# Altium PCB ToucanEyePCB.PcbDoc (part 1 of 5)
Units mil, origin at the board's own origin, x right, y up, seen from the top; angles counter-clockwise.
Board outline 2559.06 x 1181.1 mil, 6 copper layers (L1_Top Layer, L2_GND, L3_Signa1, L4_PWR/Signal2, L5_GND, L6_Bottom Layer), stack 35.685 mil thick; 187 components, 181 nets, 773 pads, 479 vias.
Unrouted connection lines stored in the file: 150.
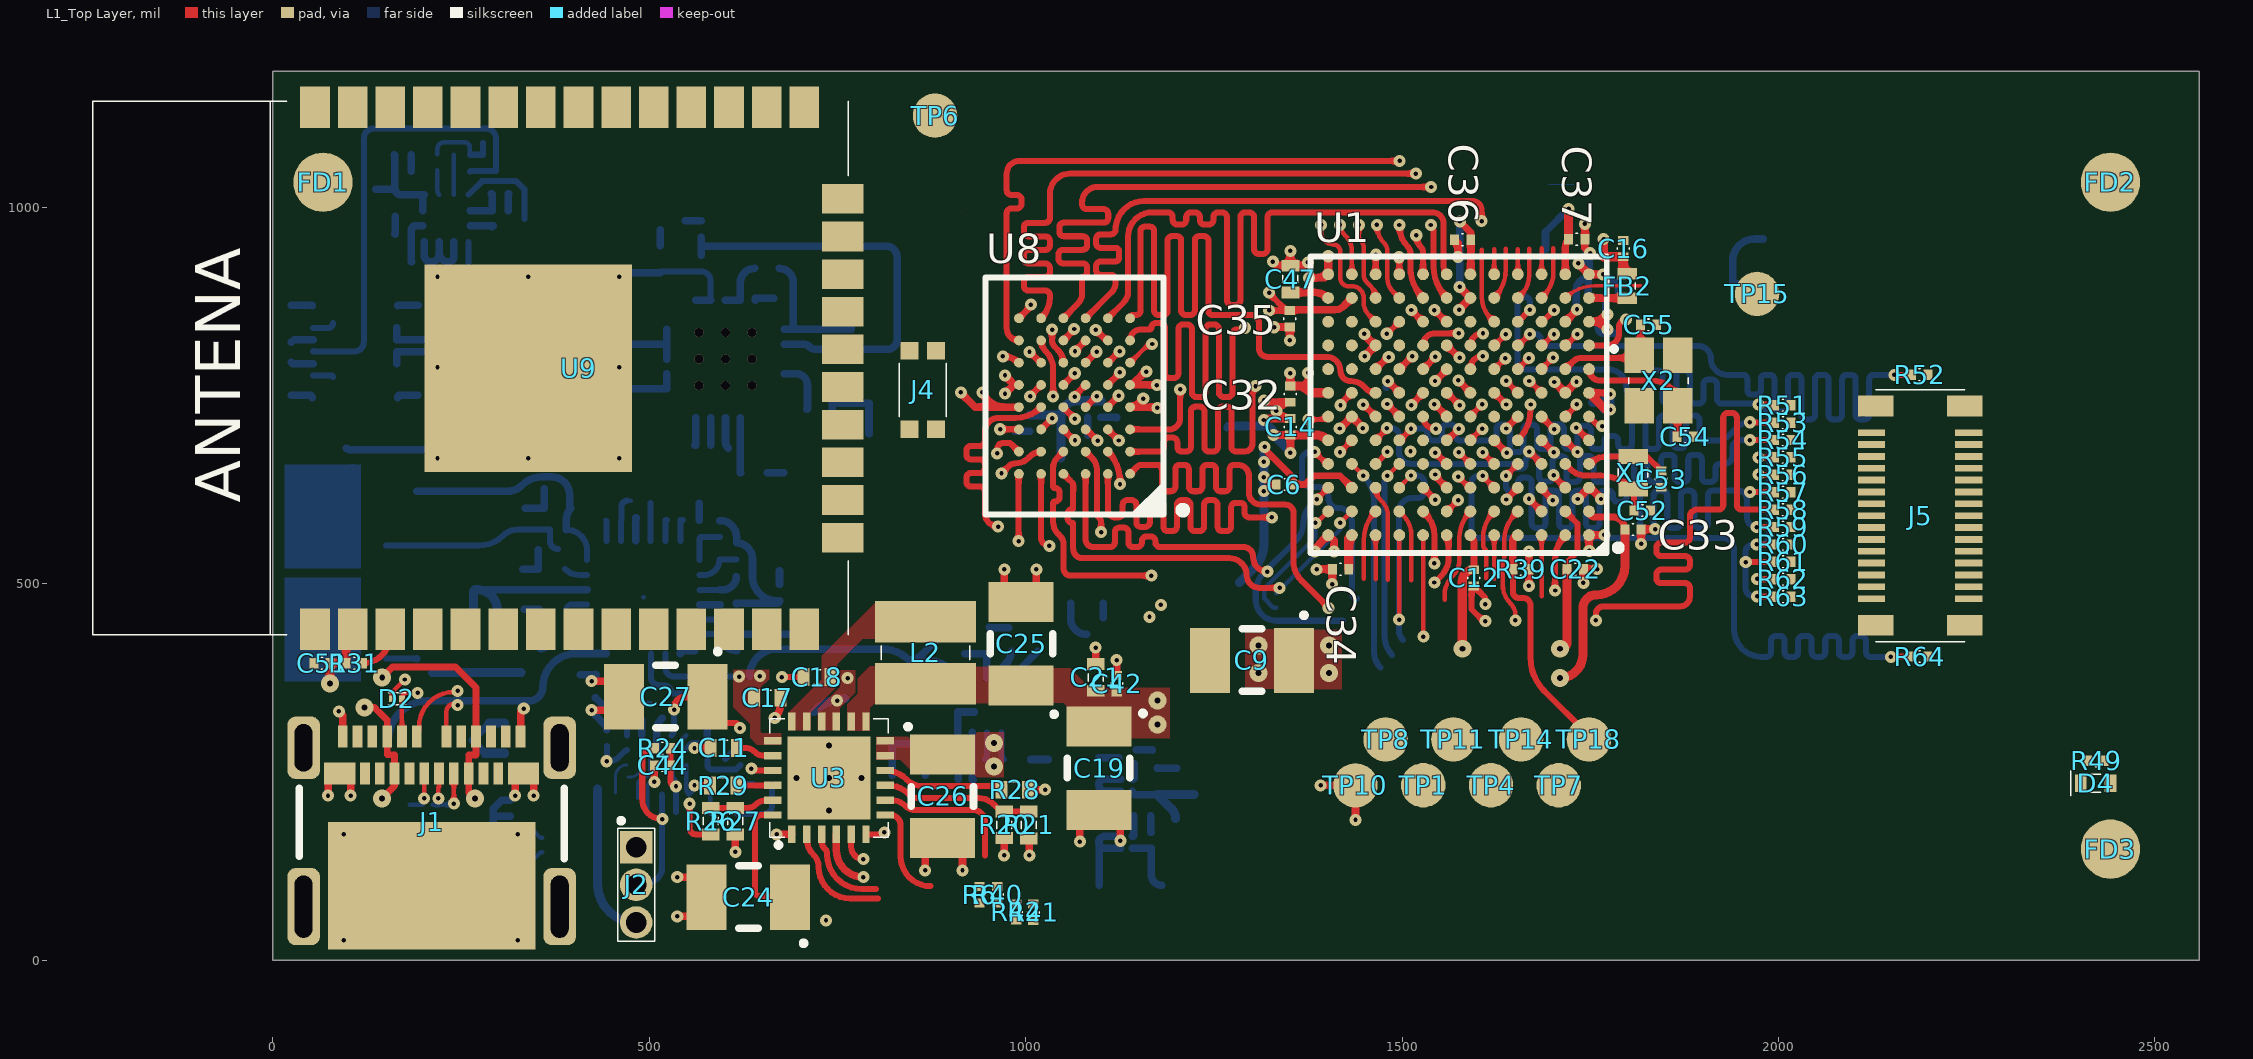
[diagram p0: L1_Top Layer view]
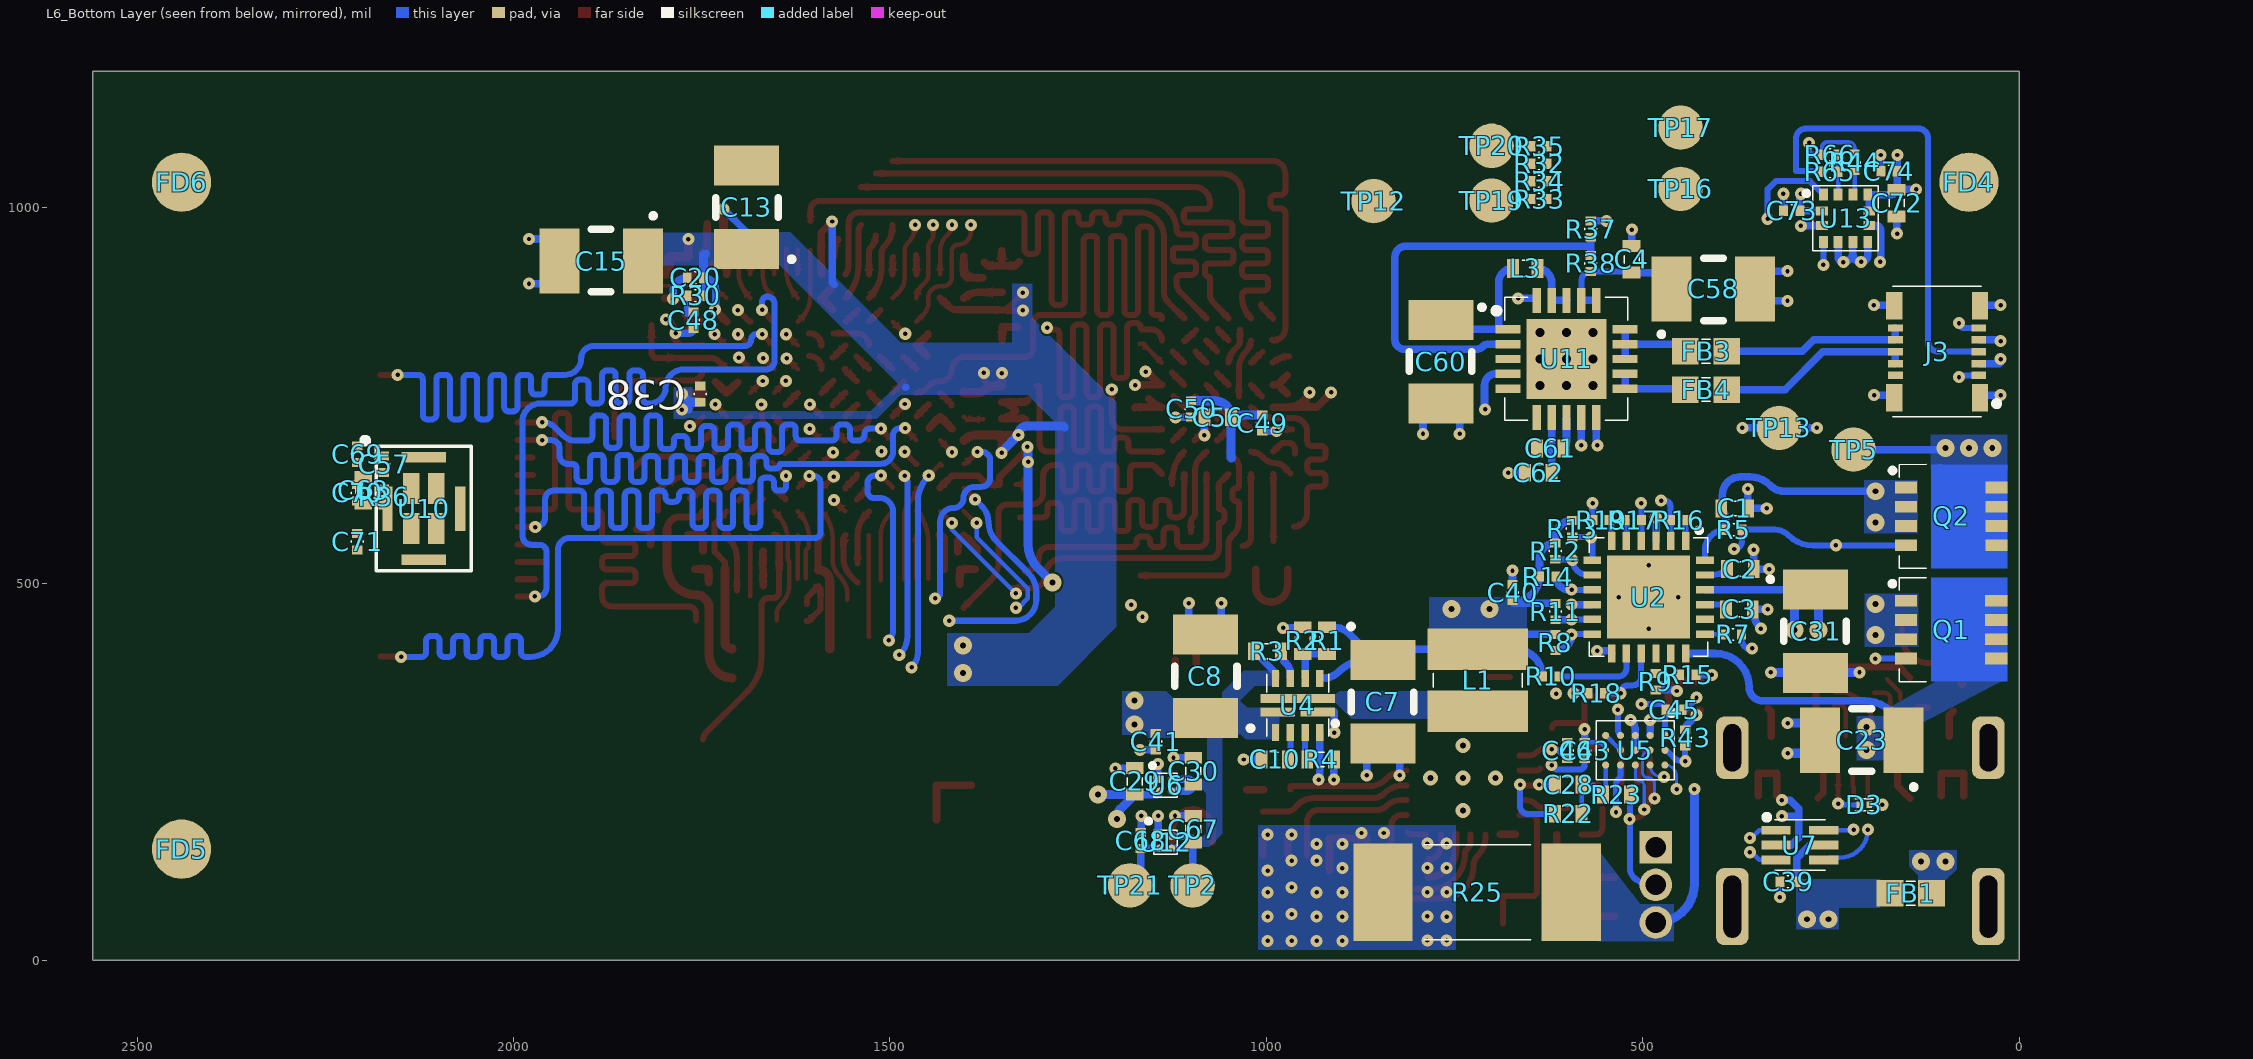
[diagram p1: L6_Bottom Layer view, seen from below]
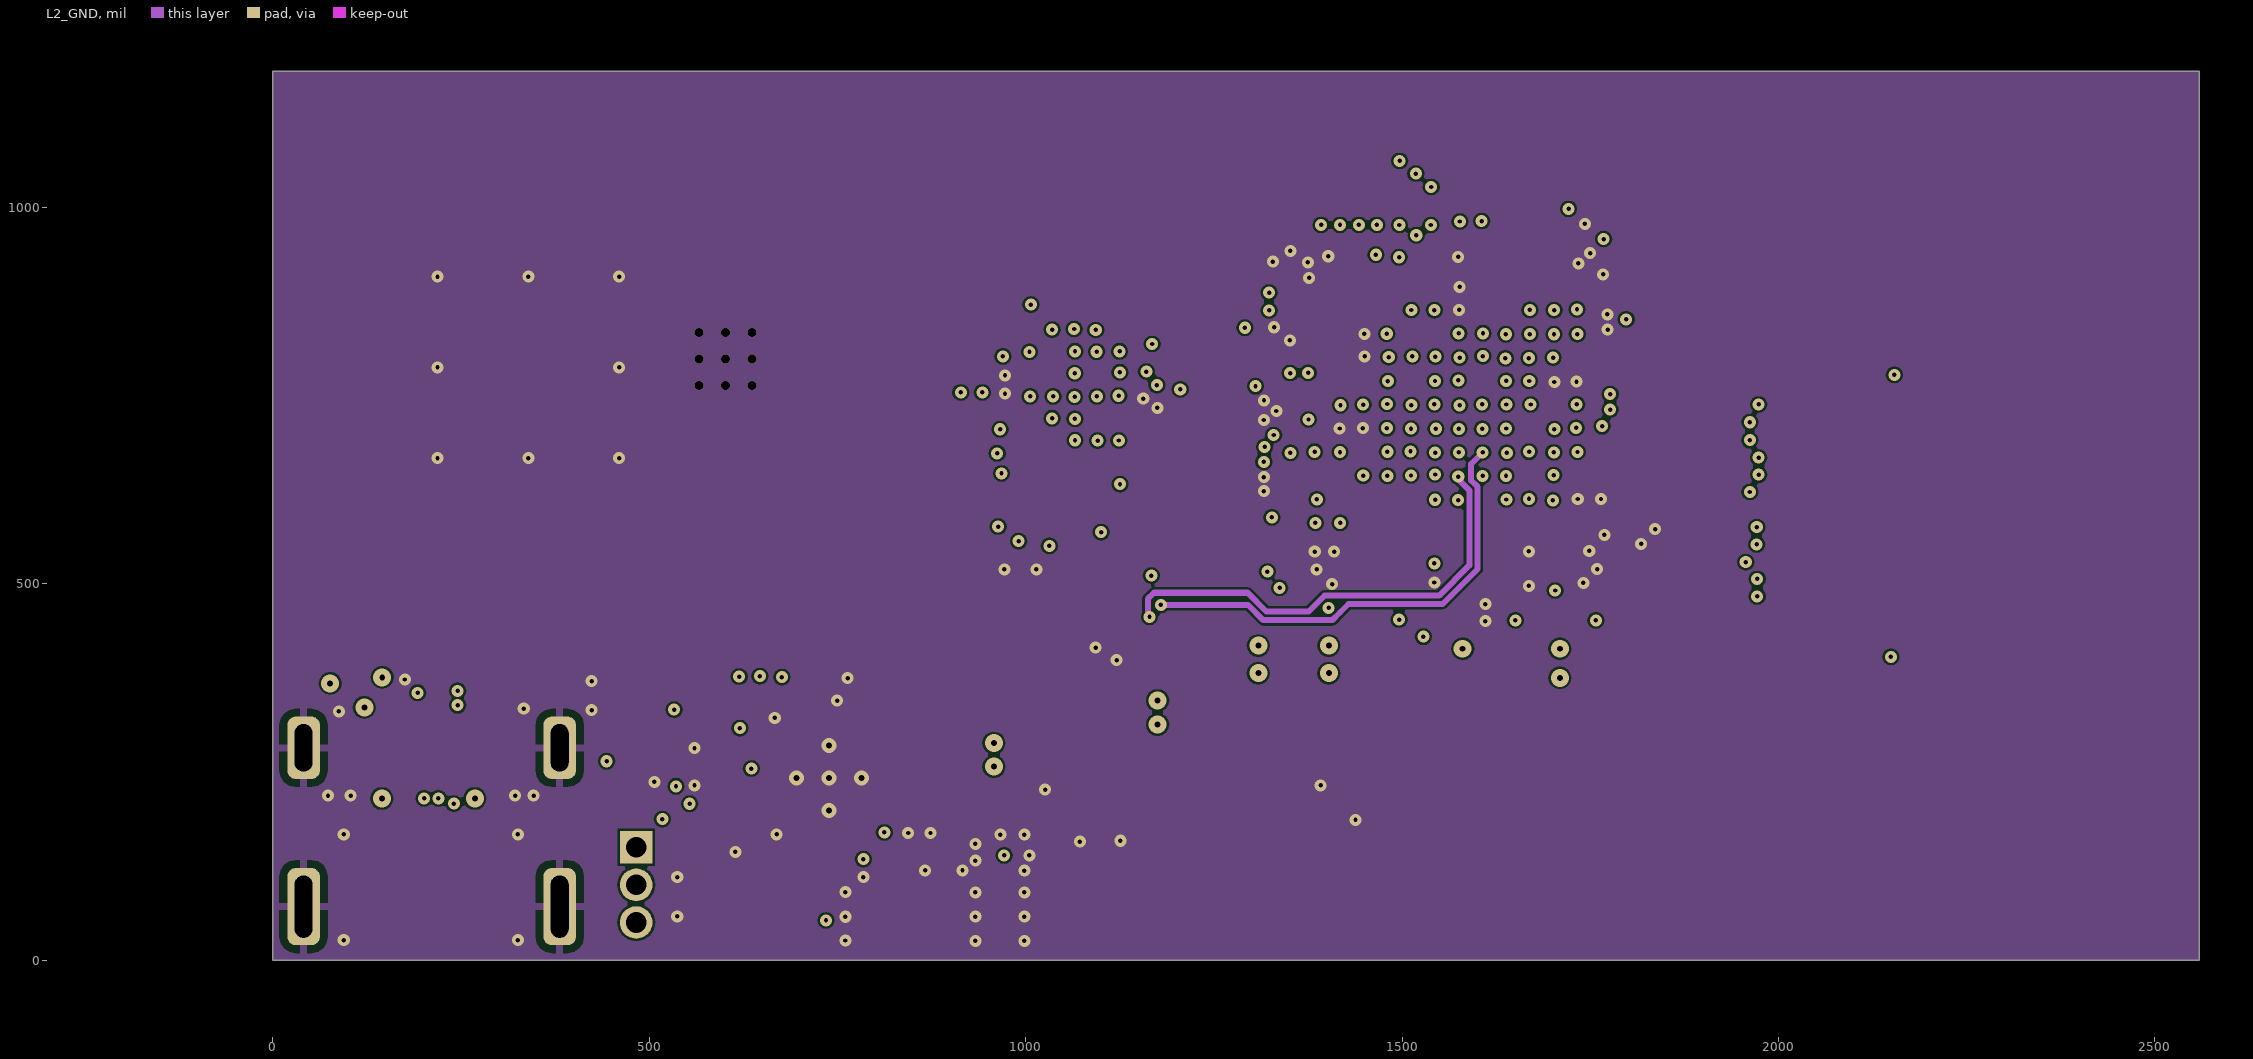
[diagram p2: L2_GND]
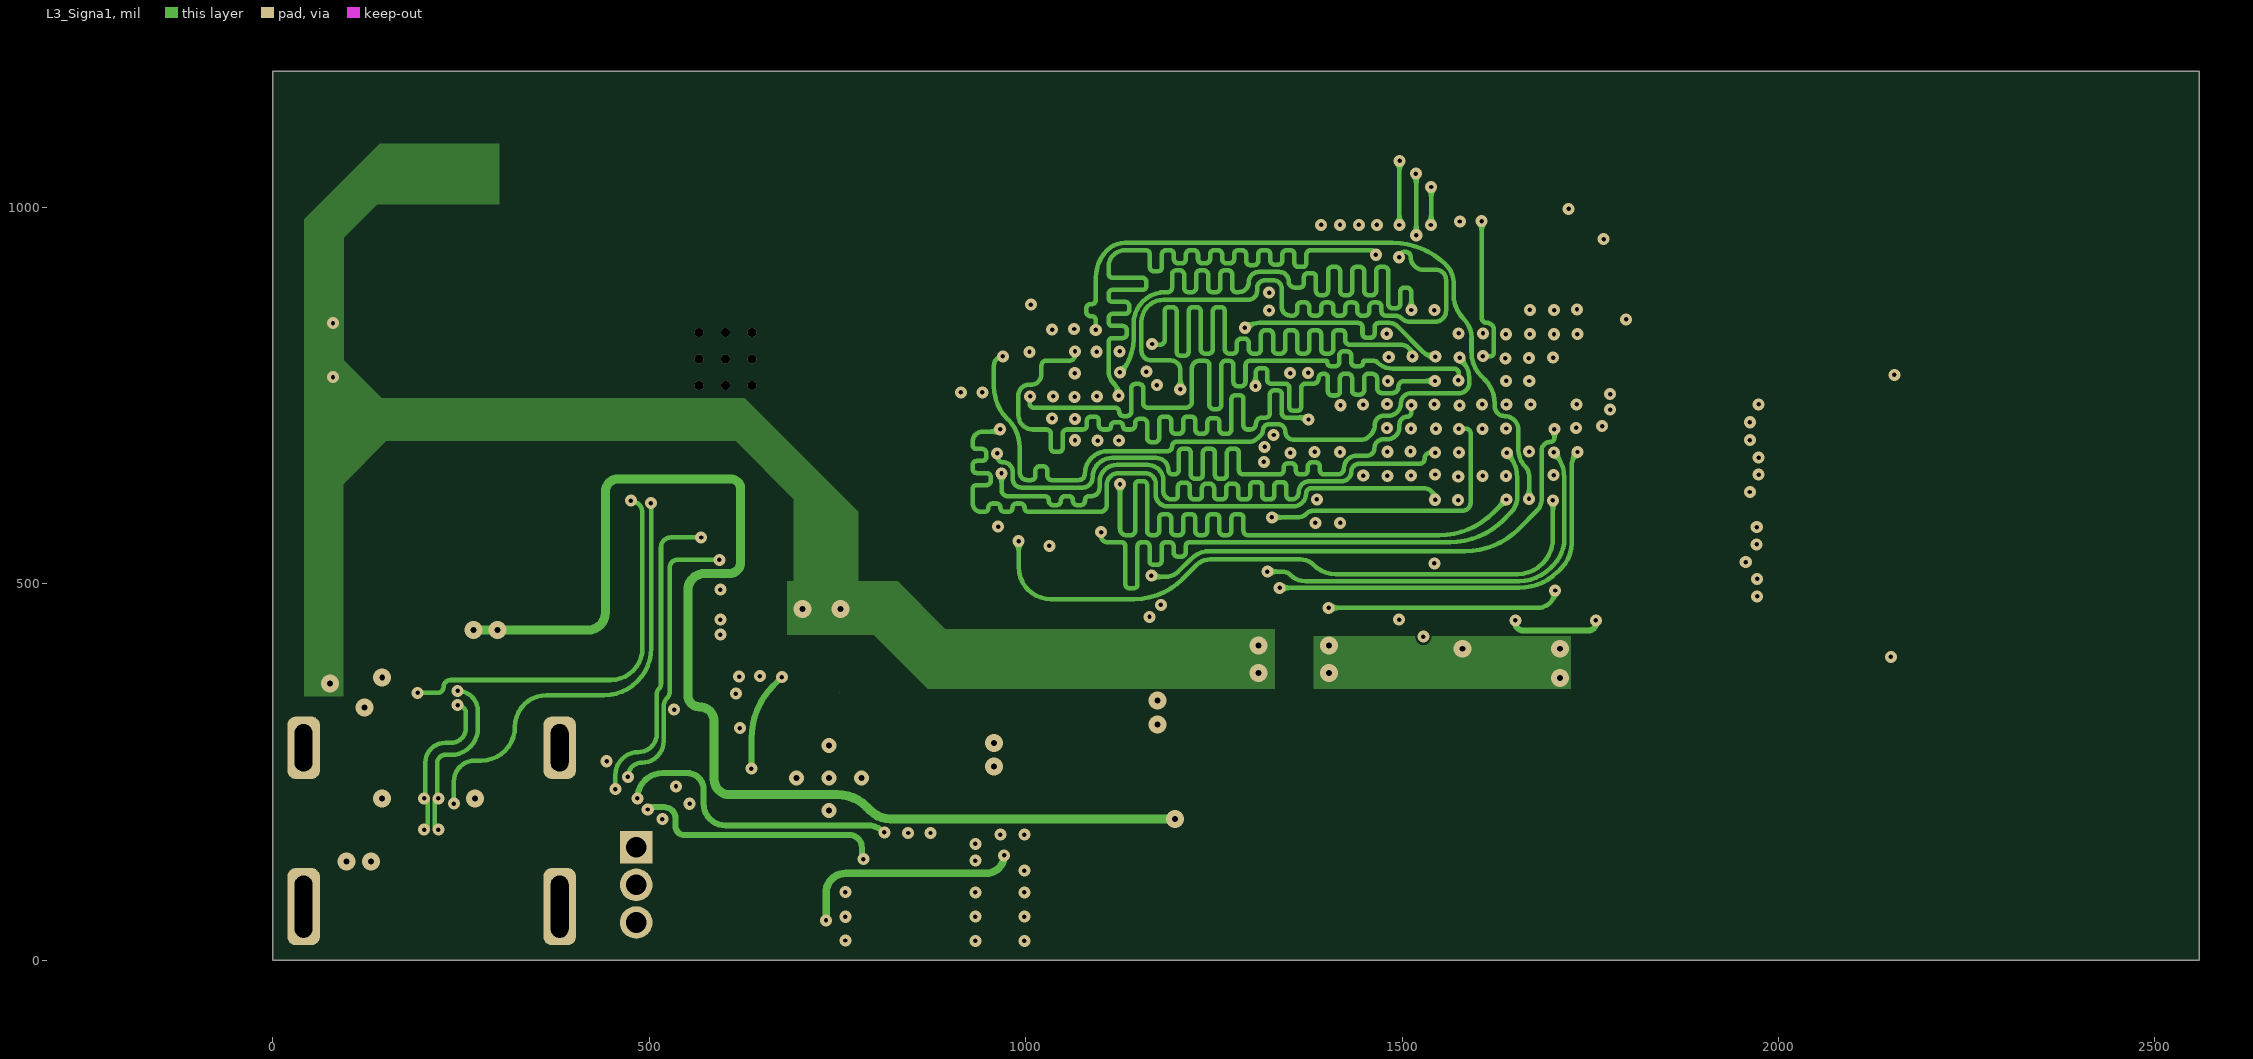
[diagram p3: L3_Signa1]
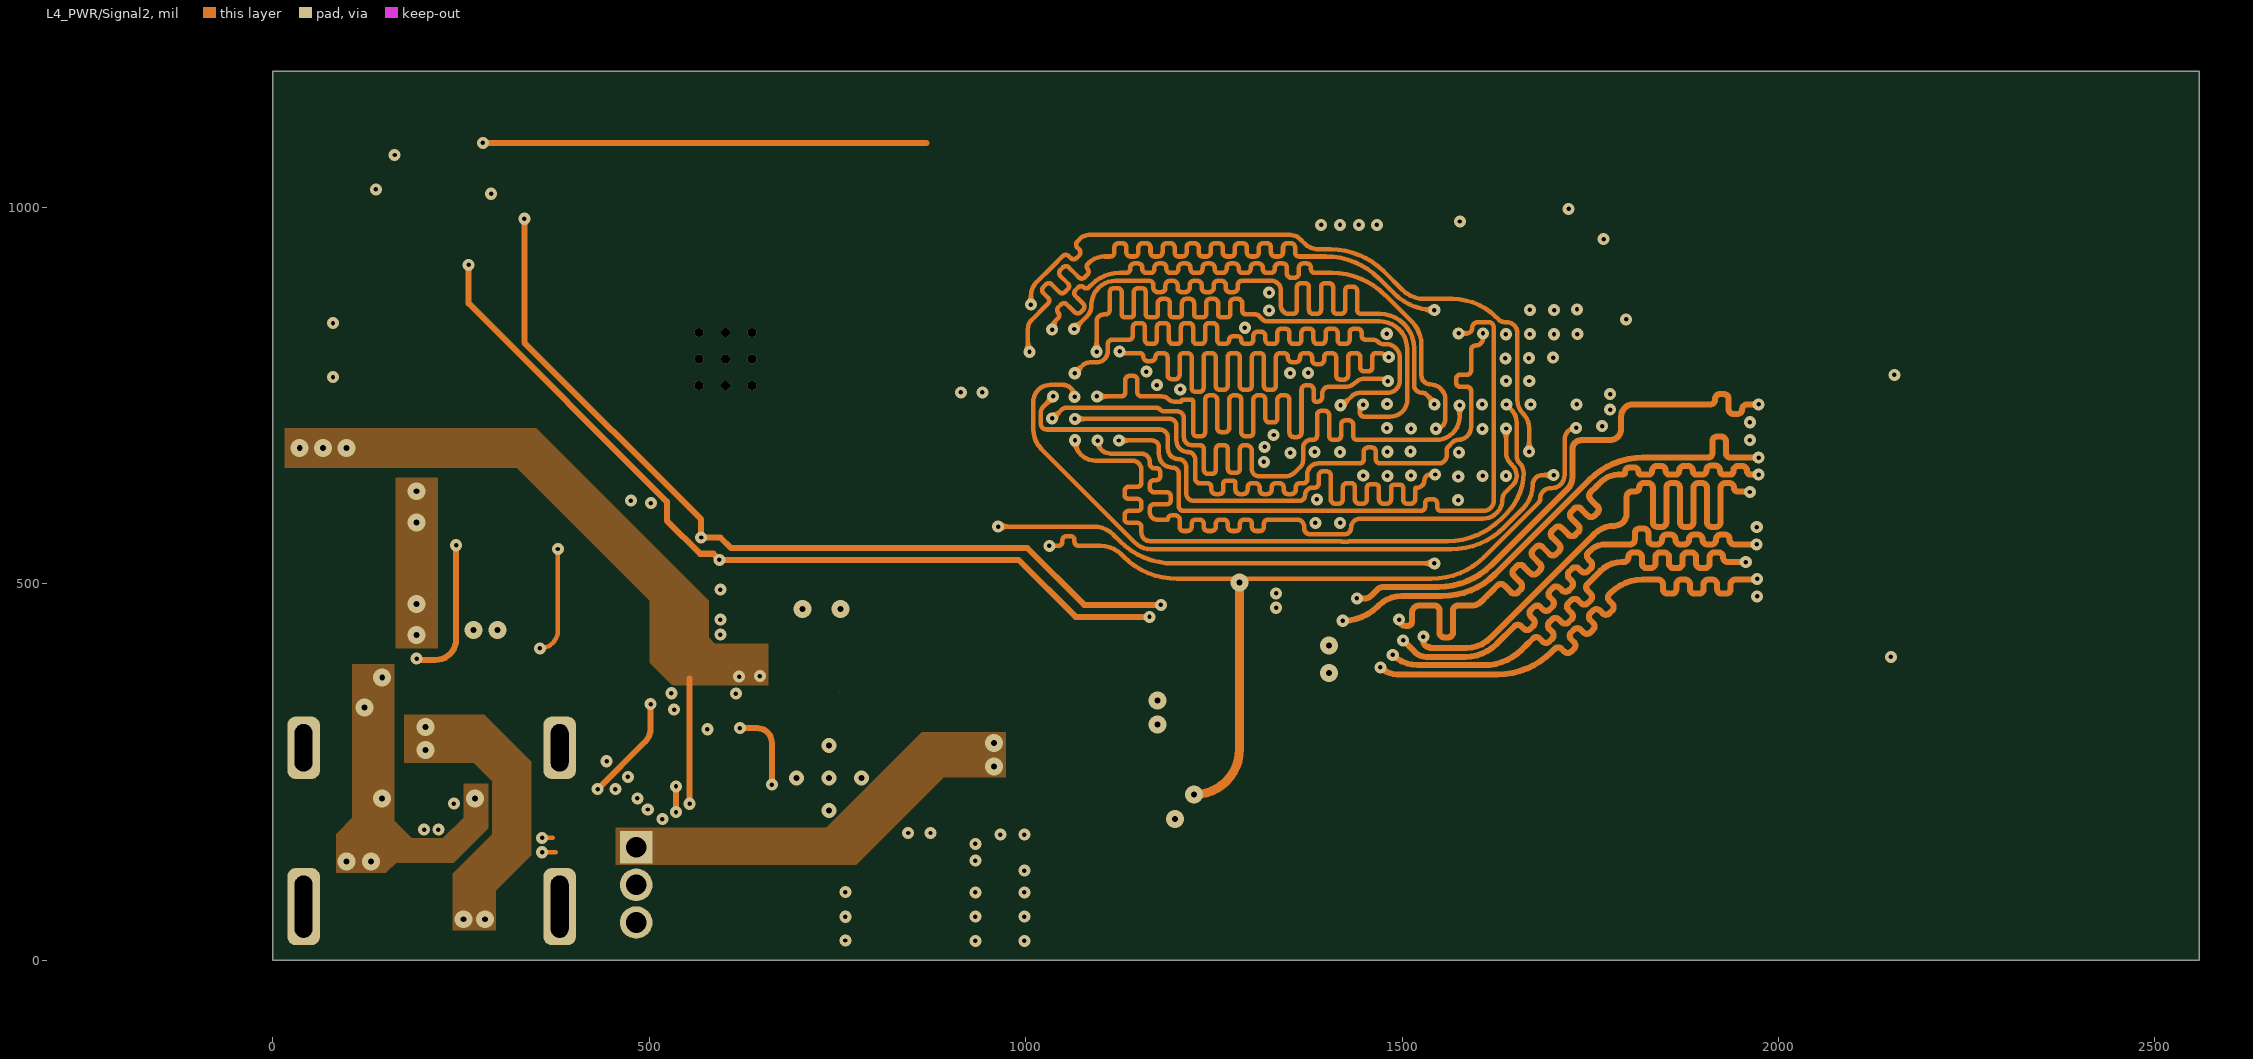
[diagram p4: L4_PWR/Signal2]
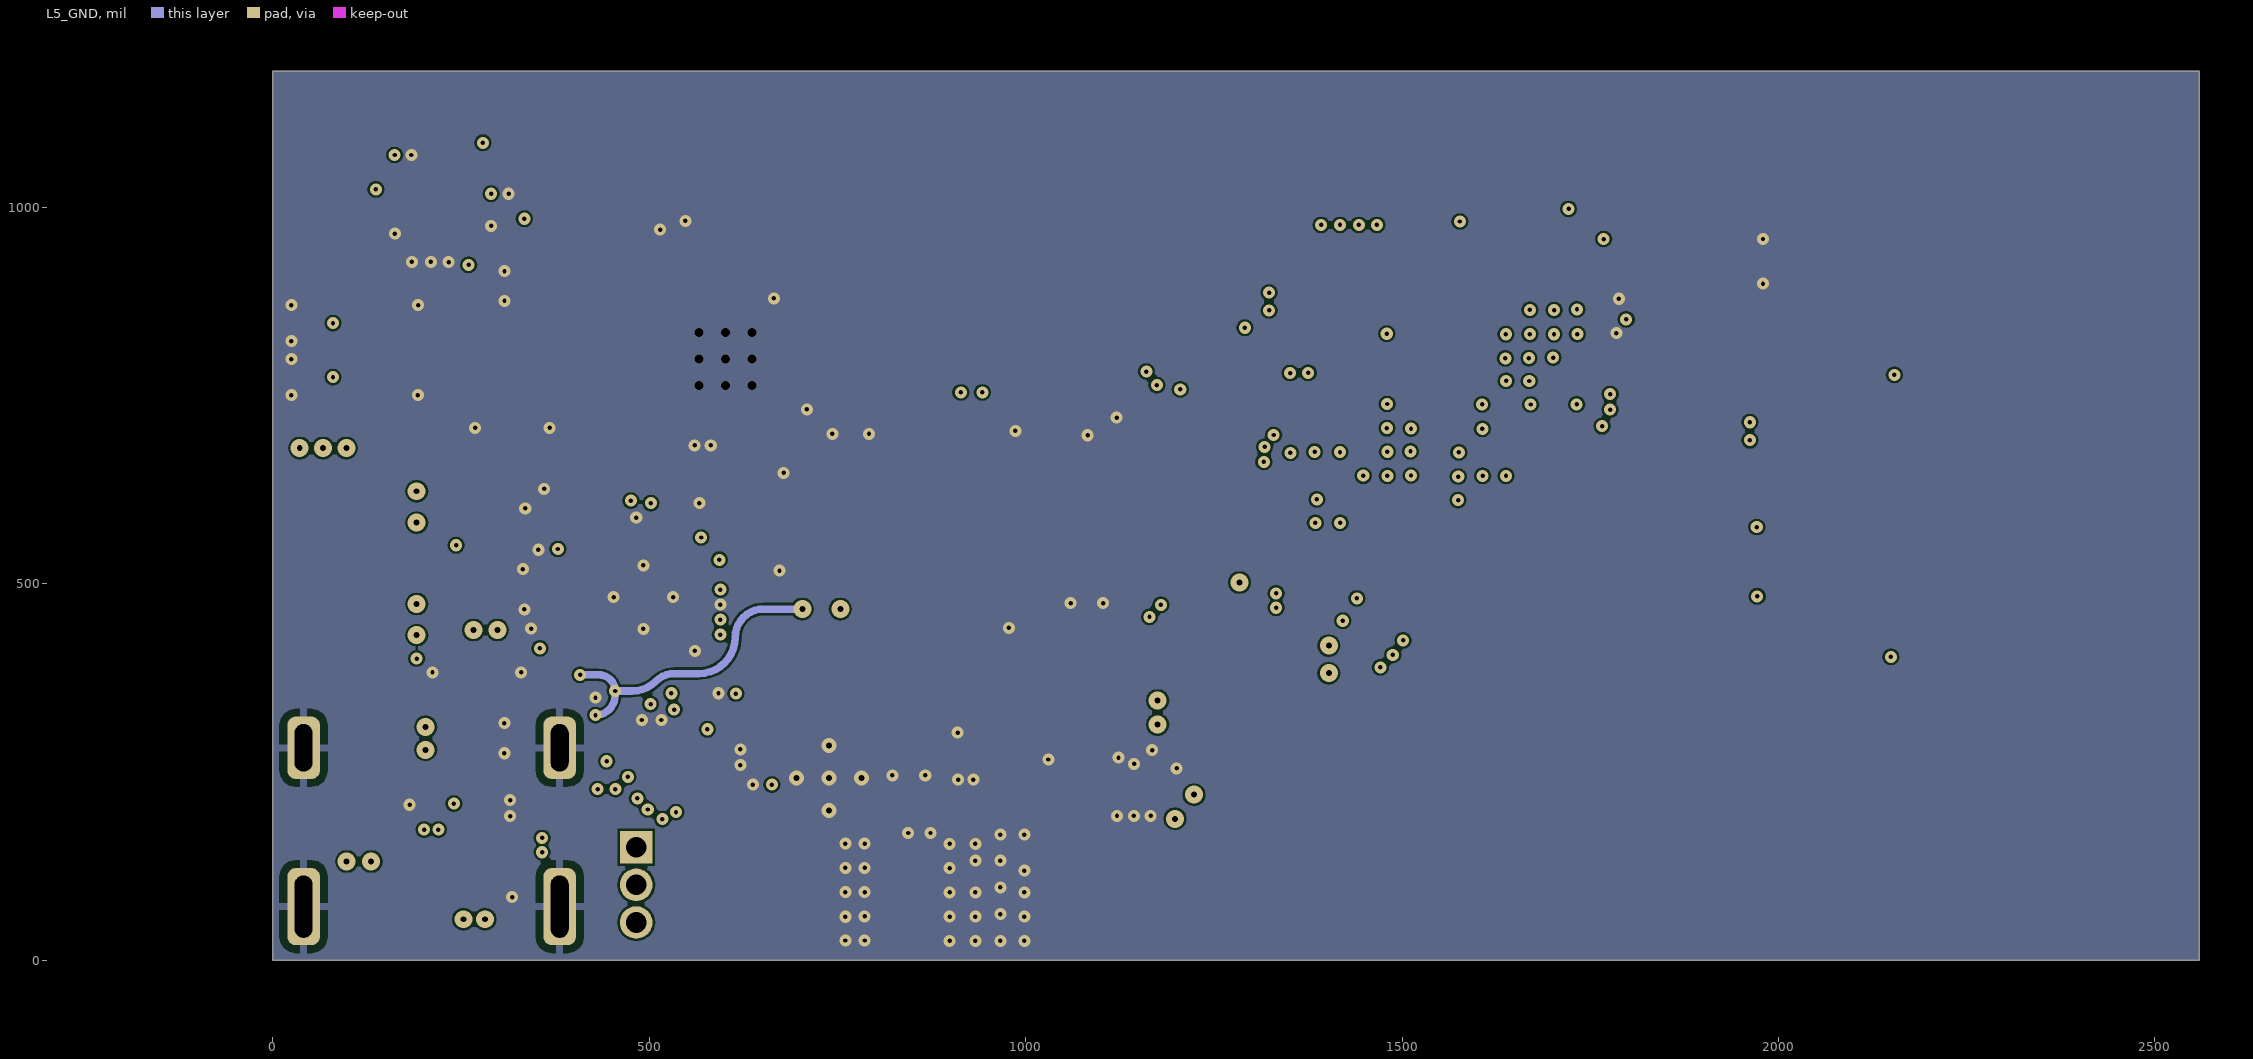
[diagram p5: L5_GND]
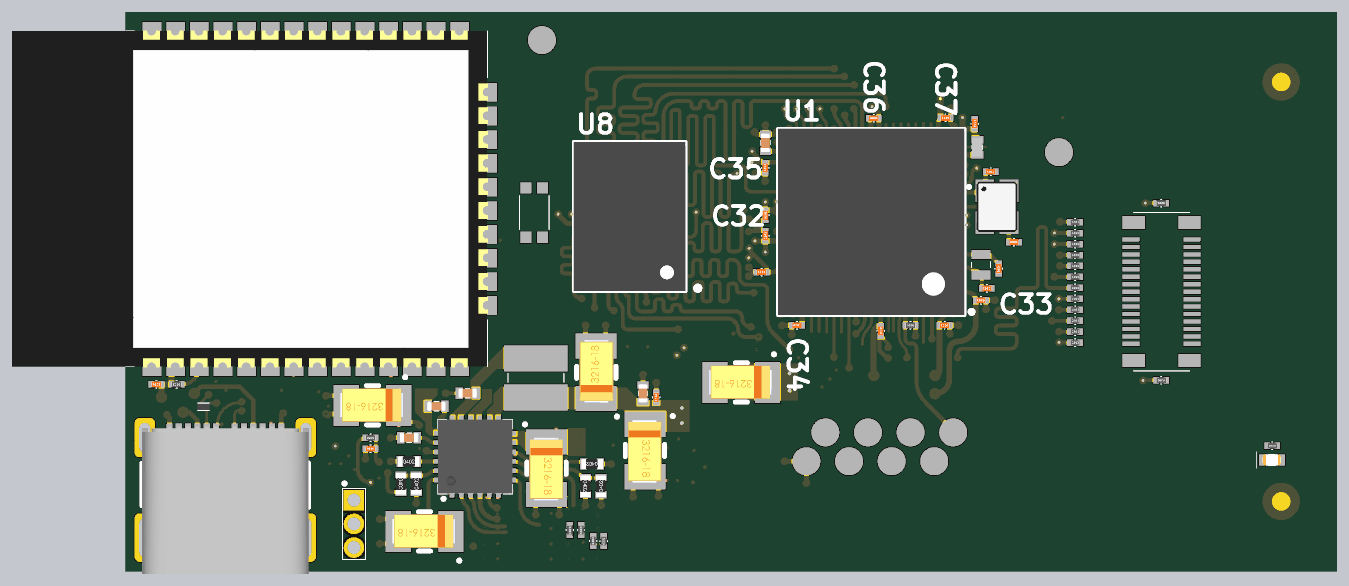
[diagram p10: 3D render of the assembled board from above, using the file's embedded part models]
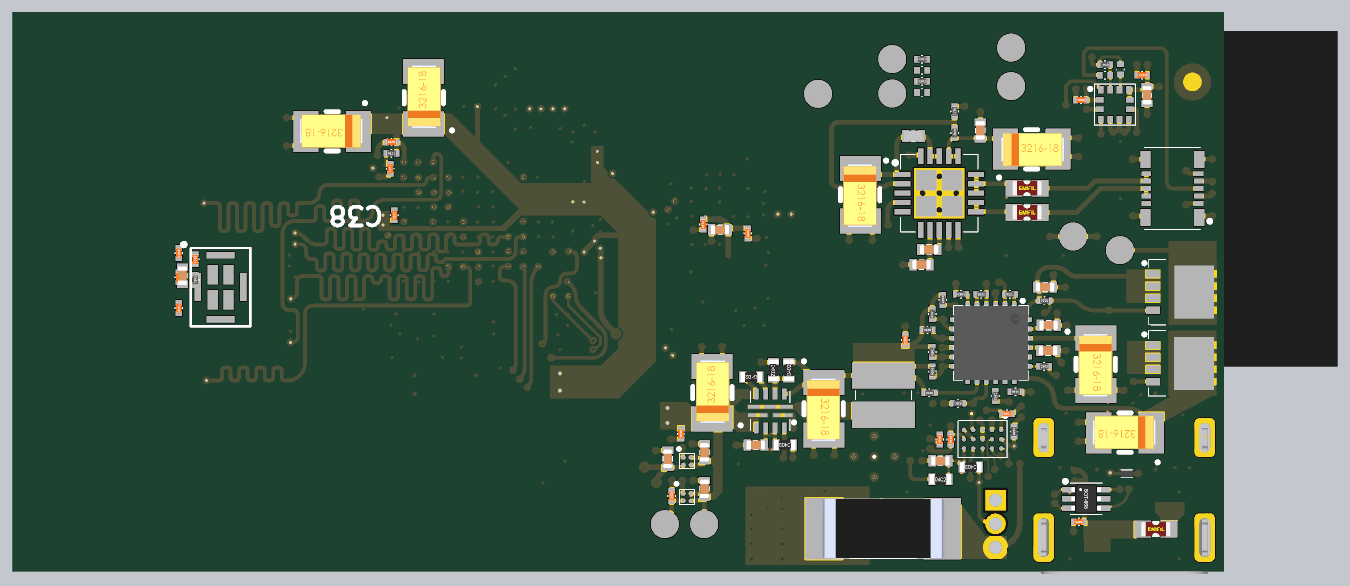
[diagram p11: 3D render of the assembled board from below, using the file's embedded part models]

## Layer stack, top to bottom
Top Solder: solder mask 0.4, Solder Resist, Dk 3.5
L1_Top Layer: signal copper 0.4724
Dielectric 1: core 5.8425, FR-4, Dk 4.2
L2_GND: signal copper 0.4724
Dielectric 3: prepreg 7.7559, Dk 4.2
L3_Signa1: signal copper 0.4724
Dielectric 4: core 5.6535, Dk 4.2
L4_PWR/Signal2: signal copper 0.4724
Dielectric 5: prepreg 7.7559, Dk 4.2
L5_GND: signal copper 0.4724
Dielectric 2: core 5.8425, Dk 4.2
L6_Bottom Layer: signal copper 0.4724
Bottom Solder: solder mask 0.4, Solder Resist, Dk 3.5

## Board outline
0,0 0,1181.1 2559.06,1181.1 2559.06,0
cut-out: -0.1,-196.95
cut-out: 1228.6,-849.25
cut-out: 752.85,355.7

## Design rules (kind name [scope] priority, off if disabled: settings)
Clearance Clearance_J1_Battery_connector [InComponent('J1')] p1: gap=6 ignorepadtopadclearanceinfootprint=FALSE
Clearance ClearanceAll [All] p2: gap=3 ignorepadtopadclearanceinfootprint=FALSE
DiffPairsRouting [All] p1: maxlimit=10 minlimit=3 mostfreqgap=5 toplayer_minwidth=3 toplayer_maxwidth=15 toplayer_prefwidth=6 midlayer1_minwidth=3 midlayer1_maxwidth=15 midlayer1_prefwidth=6 midlayer2_minwidth=3 midlayer2_maxwidth=15 midlayer2_prefwidth=6 midlayer3_minwidth=3 midlayer3_maxwidth=15 midlayer3_prefwidth=6 midlayer4_minwidth=3 midlayer4_maxwidth=15 midlayer4_prefwidth=6 bottomlayer_minwidth=3 bottomlayer_maxwidth=15 bottomlayer_prefwidth=6 maxuncoupledlength=500
FanoutControl Fanout_BGA [IsBGA] p1: bgadir=Out bgaviamode=Centered fanoutstyle=BGA fanoutdirection=Alternating viagrid=1 // Fanout_BGA (Default Rule)
HoleSize [All] p1: absolutevalues=TRUE maxlimit=59.06 minlimit=5.91 maxpercent=80.000 minpercent=20.000
HoleToHoleClearance [All] p1: gap=8 allowstackedmicrovias=TRUE
Length CAM_DATA_Length [InNetClass('CAM_DATA')] p1: maxlimit=1081.5 minlimit=1080
Length PSRAM_ADDRESS_Length [InNetClass('PSRAM_ADDRESS')] p2: maxlimit=1010.5 minlimit=1009
Length PSRAM_DATA_Length [InNetClass('PSRAM_DATA')] p3: maxlimit=1010.5 minlimit=1009
MaxMinImpedance PSRAM_Impedance [(InNetClass('PSRAM_ADDRESS') AND InNetClass('PSRAM_DATA'))] p1: minimum=45,00 maximum=55,00
MinimumAnnularRing MinimumAnnularRing_Via [IsVia] p1: minimumring=4
MinimumSolderMaskSliver [All] p1: minsoldermaskwidth=2
PlaneConnect [All] p1: planeconnectstyle=Relief reliefexpansion=20 reliefentries=4 reliefconductorwidth=12 reliefairgap=8
PolygonConnect PolygonConnect_BAT [InNet('BAT+') or InNet('BAT-')] p1: connectstyle=Direct reliefconductorwidth=10 reliefentries=4 polygonreliefangle="90 Angle" airgapwidth=10
PolygonConnect PolygonConnect_VDD [All] p2: thpad.connectstyle=Relief thpad.reliefconductorwidth=10 thpad.reliefentries=4 thpad.polygonreliefangle="90 Angle" thpad.airgapwidth=10 smdpad.connectstyle=Direct smdpad.reliefconductorwidth=10 smdpad.reliefentries=4 smdpad.polygonreliefangle="90 Angle" smdpad.airgapwidth=10 via.connectstyle=Direct via.reliefconductorwidth=10 via.reliefentries=4 via.polygonreliefangle="90 Angle" via.airgapwidth=10
PolygonConnect [All] p3: connectstyle=Relief reliefconductorwidth=10 reliefentries=4 polygonreliefangle="90 Angle" airgapwidth=4
RoutingVias [All] p1: holewidth=5.91 width=14 viastyle="Through Hole" minholewidth=5.91 minwidth=14 maxholewidth=59.06 maxwidth=67
SilkToSilkClearance [All] p1: silktosilkclearance=4
SolderMaskExpansion [All] p1: expansion=2
Width [All] p1: maxlimit=50 minlimit=3 preferedwidth=8 minimp=50.000000 maximp=50.000000 favimp=50.000000
23 further rules are at their usual default settings.
